# Altium PCB P22296-1-DES-1.2.PcbDoc (part 5 of 5)
Units mm, origin at the board's own origin, x right, y up, seen from the top; angles counter-clockwise.
Board outline 77.01 x 108 mm, 6 copper layers (Top Layer, Layer 1, Layer 2, Layer 3, Layer 4, Bottom Layer), stack 1.821 mm thick; 445 components, 260 nets, 1371 pads, 965 vias.
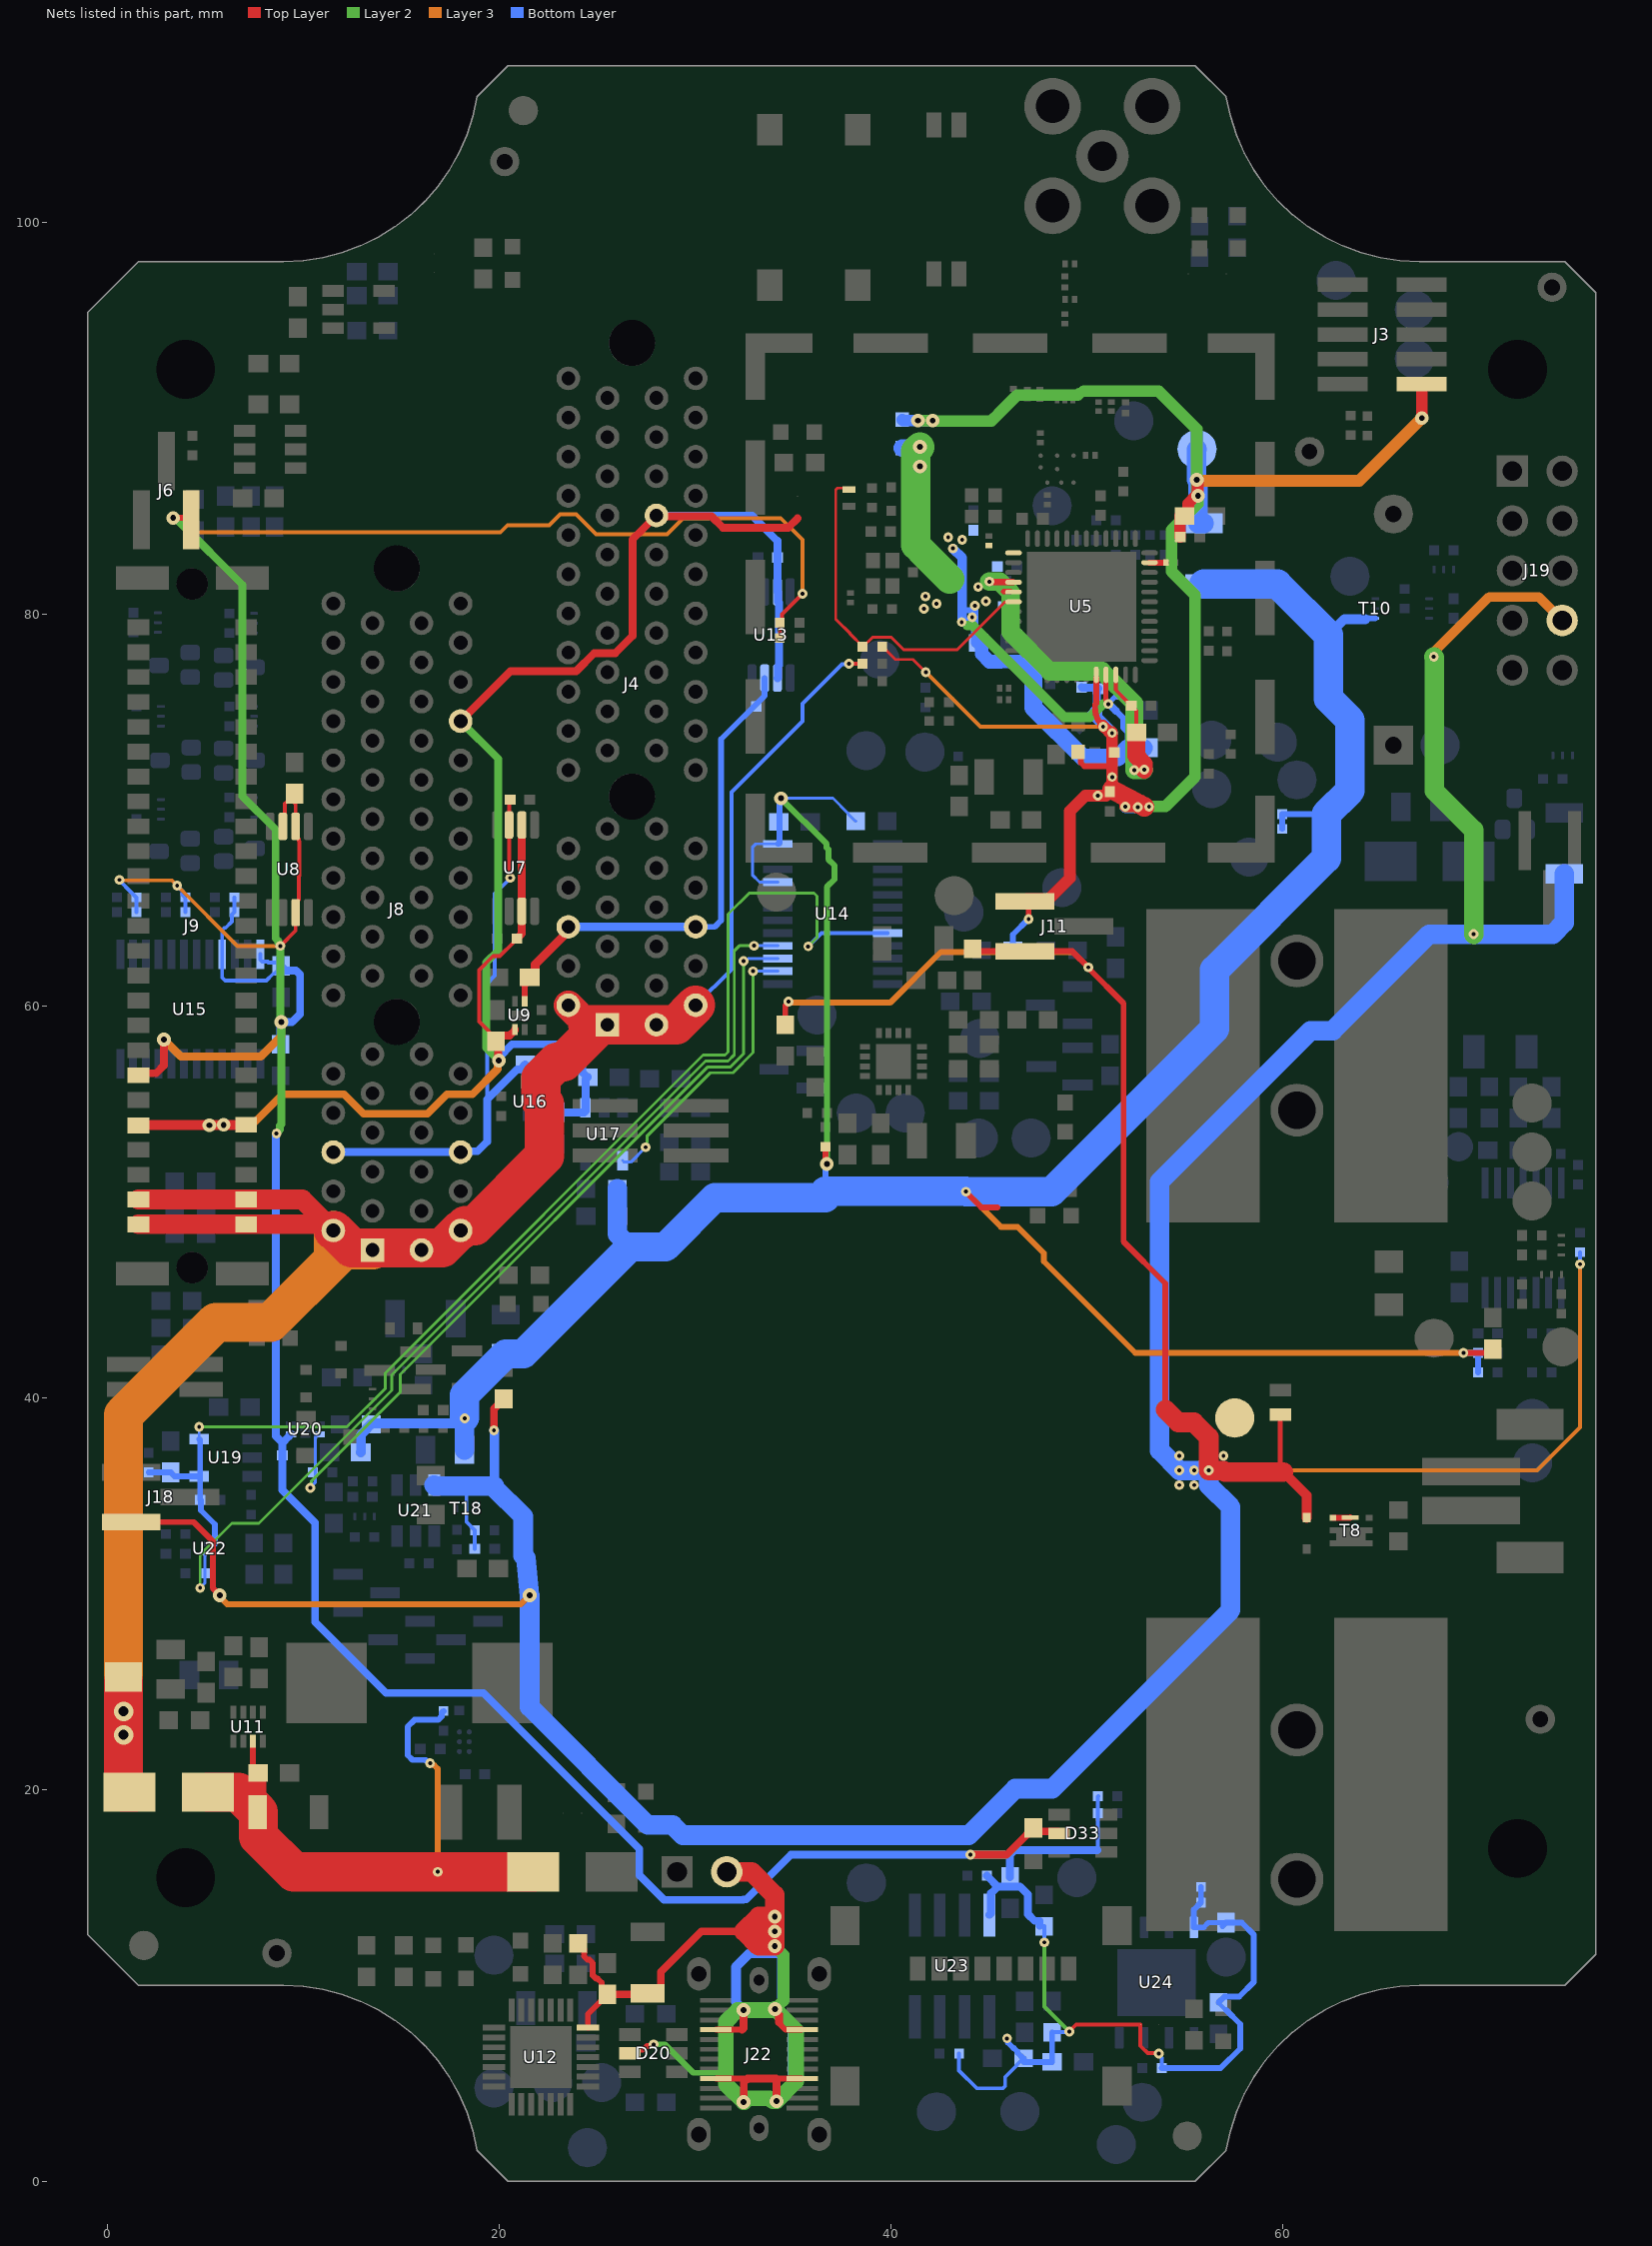
[diagram p9: the nets of this part, all layers, seen from the top]

## Via types
v1: diameter 0.5, hole 0.2, Top Layer to Bottom Layer, tented both sides, 876 vias
v2: diameter 0.7/0.7/0.7/0.7/0.7/0.7 (per signal layer), hole 0.3, Top Layer to Bottom Layer, tented bottom, 83 vias
v3: diameter 0.5, hole 0.2, Top Layer to Bottom Layer, 4 vias
v4: diameter 1, hole 0.5, Top Layer to Bottom Layer, tented bottom, 2 vias

## Nets (pads, with @x,y where several pads share a name; then routed paths per layer and width w, separated by ;. In a path a pad name is that pad's centre, name@x,y a point inside that pad or via, vN(x,y) a via of type N, cw(c..) or ccw(c..) an arc to the next point about the centre after c; other vN are vias at no path point) (continued)
Valways_e\n\: R114.1 U14.16 U22.B2 | length 49.5
  Layer 2 w0.15: v1(4.738,30.291) 4.738,31.966 6.363,33.591 7.731,33.591 14.517,40.377 14.517,41.169 30.539,57.191 31.696,57.191 32.013,57.508 32.013,62.816 32.27,63.074 v1(33.025,63.074)
  Bottom Layer w0.15: v1(4.738,30.291) 4.738,30.304 4.988,30.554 R114.1@4.988,31.041 U22.B2@4.988,32.041 ; v1(33.025,63.074) U14.16@34.238,63.074
Valways_sens: C89.2 C93.2 R6.1 U14.8 U19.4 U19.5 U22.A1 | length 63.5
  Layer 2 w0.15: v1(4.688,38.516) 12.232,38.516 14.2,40.484 14.2,41.276 30.415,57.491 31.533,57.491 31.696,57.654 31.696,64.686 32.776,65.766 36.085,65.766 36.238,65.614 36.238,63.496 v1(35.783,63.041)
  Bottom Layer w0.15: U19.5@4.688,37.891 v1(4.688,38.516)
  Bottom Layer w0.2: v1(35.783,63.041) 36.466,63.724 U14.8@39.838,63.724
  Bottom Layer w0.3: R6.1@2.113,36.191 C89.2@3.238,36.191 3.438,35.991 U19.4@4.688,35.991 ; U19.5@4.688,37.891 4.738,37.841 C93.2@4.738,34.791 4.772,34.757 4.772,34.257 5.488,33.541 U22.A1@5.488,32.541
Vbat: C94.2 D10.C D12.C1 J11.1 J18.1 J19.8 R20.1 R37.2 R62.2 R66.2 R112.2 R145.2 T8.S T18.S TS12.1 U21.6 | length 258.9
  Top Layer w0.254: D10.C@59.888,39.141 59.888,36.366 60.038,36.216
  Top Layer w0.3: J18.1@1.213,33.652 4.41,33.652 5.383,32.679 5.383,30.29 5.738,29.935 v2(5.738,29.915) ; R145.2@34.613,59.042 34.613,60.008 34.775,60.171 v1(34.775,60.225) ; R20.1@44.188,62.916 44.308,62.796 J11.1@46.853,62.796 49.258,62.796 v1@50.083,61.97 ; v1(50.087,61.974) 50.087,61.932 51.888,60.131 51.888,47.972 54.02,45.84 54.02,39.402 ; T8.S@62.579,33.874 63.446,33.874 T8.S@63.464,33.892
  Top Layer w0.4: v1(19.738,38.341) 19.738,39.432 19.972,39.666 19.988,39.666 20.238,39.916 R37.2@20.238,39.941
  Top Layer w0.5: 60.038,36.216 61.23,35.024 D12.C1@61.23,33.874
  Top Layer w1: 54.02,39.402 54.679,38.744 55.482,38.744 56.238,37.988 v1(56.238,36.291) 56.988,36.291 57.063,36.216 60.038,36.216
  Layer 2 w1: v1(67.725,77.825) 67.75,77.8 67.75,70.989 69.763,68.976 v1(69.763,63.666)
  Layer 3 w0.2: v1(56.238,36.291) 73.006,36.291 75.198,38.483 v1(75.198,46.82)
  Layer 3 w0.3: v2(5.738,29.915) 5.738,29.842 6.113,29.466 21.114,29.466 v2(21.563,29.915) v2@21.706,30.059 ; v1(34.775,60.225) 34.813,60.187 34.955,60.187 34.975,60.166 39.966,60.166 42.552,62.752 49.308,62.752 v1(50.087,61.974)
  Layer 3 w0.5: v1(67.725,77.825) 67.725,78.049 70.557,80.881 73.082,80.881 J19.8@74.282,79.681
  Bottom Layer w0.2: 18.253,35.491 18.338,35.406 T18.S@18.338,34.341 18.338,33.671 R112.2@18.768,33.241 C94.2@18.768,32.291 ; v1(75.198,46.82) R62.2@75.198,47.429
  Bottom Layer w0.5: v1(19.738,38.341) 19.768,38.311 19.768,35.491
  Bottom Layer w1: U21.6@16.688,35.541 16.738,35.491 18.253,35.491 19.68,35.491 ; 19.768,35.491 19.68,35.491 ; 21.234,31.942 21.234,33.936 19.68,35.491 ; 21.363,31.813 v2(21.563,29.915) ; v2(21.563,29.915) 21.563,24.216 27.588,18.191 28.86,18.191 29.381,17.671 43.982,17.671 46.352,20.041 48.238,20.041 57.353,29.157 57.353,34.425 56.238,35.541 v1(56.238,36.291) v1(55.488,36.291) v1(54.738,36.291) 53.724,37.305 53.724,51.034 61.431,58.741 62.57,58.741 67.495,63.666 v1(69.763,63.666) 73.802,63.666 74.388,64.252 R66.2@74.388,66.748
  other v1: 54.738,35.541 55.488,35.541 54.738,37.041 56.988,37.041
Vbus: C26.2 D13.A J4.A1 J4.A2 J4.B1 J4.B2 J8.A1 J8.A2 J8.B1 J8.B2 J9.A1 J9.A2 J9.B1 J9.B2 R18.1 | length 110.9
  Top Layer w0.2: v1(37.87,77.468) R18.1@38.563,77.468
  Top Layer w1: J9.A1@1.588,48.851 J9.B1@7.088,48.851 11.171,48.851 11.481,48.541 J8.A2@11.538,48.541 9.958,50.121 J9.B2@7.088,50.121 J9.A2@1.588,50.121
  Top Layer w1.5: J4.A2@23.538,60.041 24.538,59.041
  Top Layer w2: C26.2@0.825,25.493 v4(0.825,23.991) v4(0.825,22.796) 0.825,19.871 D13.A@1.138,19.871 D13.A@1.388,19.871 ; J8.A2@11.538,48.541 11.594,48.541 12.49,47.645 J8.A1@13.434,47.645 ; J8.A1@13.642,47.645 17.085,47.645 17.981,48.541 J8.B2@18.038,48.541 18.284,48.787 18.764,48.787 22.313,52.335 22.313,54.991 22.138,55.166 22.138,56.326 22.958,57.146 23.289,57.146 J4.A1@25.184,59.041 ; 24.538,59.041 J4.A1@25.184,59.041 ; J4.B2@30.038,60.041 29.038,59.041 J4.B1@28.038,59.041 J4.A1@25.538,59.041 J4.A1@25.184,59.041
  Layer 3 w2: v4(0.825,22.796) v4(0.825,23.991) 0.825,39.128 5.538,43.841 8.338,43.841 11.538,47.041 ; J8.A2@11.538,48.541 11.538,47.041 ; J8.A1@13.538,47.541 12.038,47.541 11.538,47.041
  Bottom Layer w0.2: J4.B2@30.038,60.041 31.863,61.866 31.863,70.916 35.488,74.541 35.488,75.433 37.507,77.453 37.855,77.453 v1(37.87,77.468)
Vcc: C45.2 C77.2 C85.2 C90.2 J13.2 R30.1 R52.2 R70.2 R71.2 R72.2 R94.1 R96.2 R99.1 R101.2 R103.1 R104.2 T10.D U14.21 U14.24 | length 162.6
  Top Layer w0.3: R30.1@36.663,52.816 36.666,52.813 36.666,52.009 v2(36.738,51.937) ; v1(43.838,50.524) 43.838,50.511 44.625,49.723 J13.2@45.444,49.723 ; v1(69.238,42.291) 70.538,42.291 C45.2@70.738,42.491
  Layer 2 w0.3: v2(34.391,70.603) 36.724,68.271 36.724,68.085 36.813,67.996 36.813,67.488 37.127,67.173 37.127,66.465 36.738,66.075 v2(36.738,51.937)
  Layer 3 w0.3: v1(43.838,50.524) 43.838,50.511 45.628,48.72 46.477,48.72 47.815,47.382 47.815,46.964 52.488,42.291 v1(69.238,42.291)
  Bottom Layer w0.15: U14.21@34.238,66.324 33.301,66.324 32.933,66.692 32.933,68.096 33.11,68.274 U14.24@34.238,68.274 ; v2(34.391,70.603) 37.043,70.603 37.814,69.833 37.814,69.808 38.189,69.433 R71.2@38.214,69.433
  Bottom Layer w0.3: U14.24@34.238,68.274 34.279,68.274 34.329,68.324 34.329,70.541 v2(34.391,70.603) ; 36.663,50.237 36.663,51.862 v2(36.738,51.937) ; R72.2@59.988,69.041 R70.2@59.988,69.791 62.238,69.791 ; 64.238,79.741 64.288,79.791 T10.D@64.738,79.791 ; v1(69.238,42.291) R99.1@69.988,42.291 R101.2@69.988,41.291
  Bottom Layer w0.5: C90.2@12.942,37.216 12.957,37.232 12.957,38.123 13.25,38.416 13.25,38.441 13.45,38.641 R103.1@13.475,38.641 13.529,38.695 v1@18.238,38.695 ; 62.349,78.93 63.16,79.741 64.238,79.741
  Bottom Layer w1: R104.2@18.238,37.341 v1@18.238,38.695 ; R94.1@26.038,50.662 C85.2@26.038,49.266 26.038,48.362 26.698,47.701
  Bottom Layer w1.5: v1@18.238,38.991 18.238,40.141 R96.2@20.338,42.241 21.238,42.241 26.698,47.701 28.498,47.701 31.009,50.212 36.663,50.212 ; 36.663,50.541 43.82,50.541 v1(43.838,50.524) 48.22,50.524 56.538,58.841 56.538,61.841 62.238,67.541 62.238,69.791 63.445,70.998 63.445,74.591 62.349,75.687 62.349,78.93 59.738,81.541 R52.2@55.988,81.541
  other v1: 18.25,38.943
VCC_MCU: C19.2 C22.2 C24.2 C32.2 C35.2 C69.2 C71.2 C76.2 J3.1 J11.3 L3.1 L5.2 R14.2 R52.1 R80.2 TS18.1 U5.11 U5.44 | length 103.1
  Top Layer w0.15: R14.2@39.588,78.341 40.238,77.691 41.138,77.691 v1(41.788,77.041)
  Top Layer w0.3: J11.3@46.853,65.336 47.038,65.151 v1(47.038,64.441) ; L3.1@49.563,72.971 49.703,72.83 49.703,72.417 49.879,72.241 51.302,72.241 ; U5.44@50.489,76.735 50.489,75.442 50.429,75.382 50.429,75.248 ccw(c51.829,75.248) v1(50.839,74.258) ; U5.11@53.214,82.633 C24.2@54.045,82.633
  Top Layer w0.6: J11.3@46.853,65.336 46.978,65.461 48.083,65.461 49.138,66.516 49.138,69.941 49.93,70.733 v1(50.579,70.733) 50.989,70.733 C35.2@51.189,70.933 ; v1@50.841,74.304 51.163,73.982 51.302,73.982 51.302,72.241 v1(51.302,71.691) C35.2@51.302,71.047 ; v1(51.971,70.183) 52.585,70.183 cw(c52.585,70.157) v1(52.612,70.157) ; C22.2@54.771,83.941 54.771,85.015 C19.2@54.814,85.058 ; C19.2@54.989,85.008 55.039,85.008 55.189,85.158 55.189,85.64 55.571,86.022 55.668,86.022 v2(55.688,86.041) 55.668,86.06 55.668,86.79 55.621,86.838 v2(55.621,86.865) ; J3.1@67.113,91.742 67.113,90.018 v2(67.118,90.012)
  Top Layer w1: C35.2@51.302,71.047 52.181,70.577 52.659,70.321 52.691,70.305 52.916,70.184 ccw(c53.388,71.066) v1@52.952,70.166
  Layer 2 w0.6: v2(41.389,89.883) v2(42.139,89.883) ; v2@42.139,89.864 45.131,89.864 45.548,90.28 45.548,90.284 46.455,91.191 47.677,91.191 47.686,91.182 48.624,91.182 48.633,91.191 49.548,91.191 49.623,91.266 ; 49.852,91.391 53.681,91.391 55.621,89.451 v2(55.621,86.865) v2@55.621,86.06 ; v1(51.971,70.183) 54.026,70.183 55.538,71.695 55.538,80.981 54.339,82.18 54.339,84.292 55.668,85.622 55.668,86.022 v2(55.688,86.041)
  Layer 3 w0.2: v1(41.788,77.041) 44.57,74.258 v1(50.839,74.258)
  Layer 3 w0.6: v2(55.621,86.865) 55.648,86.865 55.705,86.808 63.914,86.808 v2(67.118,90.012)
  Bottom Layer w0.3: R80.2@46.238,62.841 46.238,63.641 v1(47.038,64.441)
  Bottom Layer w0.4: C69.2@49.739,76.283 49.772,76.25 50.547,76.25 C71.2@50.589,76.208 50.529,76.148 50.529,75.91 50.513,75.894 50.513,75.101 C76.2@50.475,75.064
  Bottom Layer w0.6: L5.2@40.589,89.928 40.634,89.883 v2(41.389,89.883) v2(42.139,89.883) ; C76.2@50.475,75.064 50.513,75.026 50.513,74.724 v1(51.3,73.936) ; v1(51.971,70.183) 51.997,70.157 v1(52.612,70.157) 53.178,70.157 v1(53.188,70.166)
  Bottom Layer w1: TS18.1@55.638,88.419 55.621,88.402 v2(55.621,86.865) 55.688,86.798 v2(55.688,86.041) 55.688,84.641 R52.1@55.988,84.641
VDD_TCXO_EXT_4: L1.2 R14.1 U5.30 | length 18.5
  Top Layer w0.15: L1.2@37.87,86.441 37.279,86.441 37.191,86.353 37.191,79.737 37.609,79.32 37.63,79.32 37.908,79.042 37.908,79.021 38.588,78.341 39.073,78.827 40.024,78.827 40.66,78.191 43.391,78.191 45.801,80.6 45.86,80.6 45.874,80.614 46.245,80.614 U5.30@46.264,80.633
Vddpa: C23.2 C60.2 C66.2 C67.2 C73.2 L7.1 U5.25 U5.29 U5.45 | length 33.9
  Top Layer w0.25: U5.45@50.989,76.893 50.989,75.607 51.113,75.484 v1(51.113,75.416)
  Top Layer w0.3: 45.761,81.158 U5.29@46.114,81.158
  Layer 2 w0.5: 43.903,79.421 44.188,79.421 48.868,74.741 50.163,74.741 50.838,75.416 v1(51.113,75.416)
  Bottom Layer w0.25: v1(51.113,75.416) 51.113,75.441 51.458,75.786 51.598,75.786 C73.2@51.613,75.801
  Bottom Layer w0.3: 43.732,80.244 43.774,80.202 v1@44.233,80.202 ; 51.482,75.082 51.864,74.701 51.864,74.221 52.095,73.989 52.095,73.181 L7.1@52.939,73.181
  Bottom Layer w0.4: v1(51.113,75.416) 51.14,75.416 51.19,75.366 51.199,75.366 51.482,75.082
  Bottom Layer w0.5: v1@43.181,83.344 43.649,82.877 43.649,79.738 43.913,79.474 ; 44.233,79.533 v1@44.233,80.202 ; C67.2@44.333,78.533 44.333,79.133 ; C67.2@44.539,78.533 44.639,78.433 44.739,78.333 C67.2@44.739,78.283
  Bottom Layer w0.6: 46.398,77.583 46.498,77.483
  Bottom Layer w0.7: C67.2@44.489,78.533 C67.2@44.539,78.533 ; C67.2@44.639,78.433 44.639,77.976 45.035,77.579 45.615,77.579 45.619,77.583 46.398,77.583
  Bottom Layer w0.9: 46.498,77.483 47.279,76.702 47.279,75.227 49.824,72.682 51.596,72.682 52.095,73.181 52.401,73.181 L7.1@52.939,73.181
  other v1: 43.619,79.6 44.155,79.84 44.299,80.425 44.864,80.658 43.174,83.357 43.644,83.801 42.93,83.93
Vddrf: C29.2 C31.2 C63.2 C64.2 L5.1 U5.28 U5.46 | length 33.1
  Top Layer w0.2: U5.46@51.489,76.908 51.489,76.133 52.109,75.513 52.109,75.493 52.269,75.333 C29.2@52.289,75.333 52.309,75.333 52.469,75.173 52.469,75.153 52.539,75.083 C31.2@52.539,73.958
  Top Layer w0.3: v1(45.038,81.666) 45.931,81.666 45.939,81.658 46.239,81.658 U5.28@46.264,81.633 v1@45.07,81.633
  Top Layer w0.9: C31.2@52.539,73.958 52.539,72.765 52.94,72.364 v1(52.94,72.058)
  Layer 2 w0.9: 50.788,77.091 52.438,75.441 v1@52.438,72.058 ; v1(52.438,72.041) 52.923,72.041 v1(52.94,72.058)
  Layer 2 w0.95: v1(45.038,81.666) 45.556,81.666 46.119,81.103 46.119,79.097 48.125,77.091 50.788,77.091
  Layer 2 w1.5: 41.275,83.531 41.754,83.053 43.013,81.794 ; 41.275,83.681 41.275,88.329 v2(41.488,88.541)
  Bottom Layer w0.9: L5.1@40.589,88.488 41.29,88.488 41.29,87.738 v2(41.488,87.541) 41.482,87.546 41.482,88.396 41.488,88.401 v2(41.488,88.541)
  other v1: 41.689,80.283 42.339,80.533 41.764,80.908 44.463,81.391
Vin_DCDC_6: C50.2 C52.2 D13.C D15.C R142.2 U11.3 | length 33.5
  Top Layer w0.3: U11.3@7.438,22.461 7.438,21.102 C50.2@7.699,20.841
  Top Layer w0.8: C50.2@7.699,20.841 7.706,20.834 7.706,18.848 C52.2@7.714,18.841
  Top Layer w2: D13.C@5.138,19.871 6.683,19.871 C52.2@7.706,18.848 ; C52.2@7.714,18.841 7.714,17.604 9.518,15.8 D15.C@21.738,15.8
  Layer 3 w0.3: v1(16.476,21.341) 16.53,21.341 16.63,21.241 16.687,21.241 16.863,21.065 v1(16.863,15.8)
  Bottom Layer w0.3: v1(16.476,21.341) 16.422,21.341 16.252,21.512 16.201,21.512 15.583,21.512 15.338,21.757 15.338,23.212 15.681,23.556 16.891,23.556 17.067,23.732 17.067,23.906 R142.2@17.167,24.006
Vsensor: C39.2 C41.2 C62.2 C80.2 C83.2 J4.B25 J7.2 J8.B26 J9.A5 J9.B5 U7.3 U7.6 U9.3 U13.3 U13.6 U16.3 U17.1 | length 105.3
  Top Layer w0.2: 19.338,58.841 18.982,59.197 18.982,61.835 19.689,62.543 20.032,62.543 20.733,63.243 20.733,63.281 20.893,63.441 C39.2@20.913,63.441 ; 19.338,58.841 19.563,58.616 19.563,58.541 C41.2@19.913,58.191
  Top Layer w0.4: J8.B26@18.038,74.541 20.584,77.087 23.933,77.087 24.861,78.015 25.939,78.015 26.813,78.889 26.813,83.816 J4.B25@28.038,85.041 28.084,84.995 30.849,84.995 31.424,84.42 34.766,84.42 35.238,84.891 ; C41.2@19.913,58.191 19.913,58.241 20.163,58.491 20.538,58.491 20.813,58.766 U9.3@20.813,58.791 ; C41.2@19.95,58.253 19.95,57.253 v2(19.988,57.216) ; C39.2@20.913,63.441 20.933,63.441 20.993,63.501 20.993,63.521 21.163,63.691 U7.3@21.163,64.841 U7.6@21.163,69.241
  Top Layer w0.5: J9.A5@1.588,53.901 1.618,53.931 J9.B5@7.088,53.931
  Layer 2 w0.4: J8.B26@18.038,74.541 19.963,72.616 19.963,62.841 19.338,62.216 19.338,57.866 v2(19.988,57.216)
  Layer 3 w0.4: v2(5.213,53.913) 5.222,53.922 5.928,53.922 v2(5.938,53.931) 7.395,53.931 8.955,55.491 11.138,55.491 11.142,55.495 12.084,55.495 13.084,54.495 16.341,54.495 17.341,55.495 18.642,55.495 19.93,56.784 19.93,57.159 v2(19.988,57.216)
  Bottom Layer w0.4: v2@20.013,57.391 20.663,58.041 23.713,58.041 24.251,57.503 24.251,56.616 24.501,56.366 C80.2@24.538,56.366 24.413,56.242 U17.1@24.413,54.808 24.413,54.641 24.338,54.566 C83.2@22.888,54.566 ; U16.3@21.863,54.391 21.866,54.395 22.716,54.395 C83.2@22.888,54.566 ; C83.2@22.888,54.616 C83.2@22.888,54.566 ; J4.B25@28.038,85.041 32.913,85.041 34.213,83.741 C62.2@34.213,82.891 U13.3@34.213,81.141 34.238,81.116 34.238,80.641 34.288,80.591 34.288,77.392 34.238,77.342 34.238,76.766 U13.6@34.213,76.741
Vsensor_en: U14.14 U17.4 | length 14.7
  Layer 2 w0.15: v1(27.488,52.791) 27.548,52.852 27.548,53.352 30.788,56.591 31.944,56.591 32.971,57.617 v1(32.971,61.774)
  Bottom Layer w0.15: U17.4@26.313,52.108 26.392,52.029 26.725,52.029 v1(27.488,52.791) ; v1(32.971,61.774) U14.14@34.238,61.774
Vsensorslot_12: C40.2 C75.2 J4.A6 J4.B6 U9.1 U13.7 | length 26.3
  Top Layer w0.3: U9.1@21.313,60.241 21.313,61.136 cw(c21.543,61.136) C40.2@21.543,61.366
  Top Layer w0.44: C40.2@21.313,61.136 21.543,61.366 21.588,61.366 21.843,61.621 21.843,62.121 23.391,63.669 23.391,63.894 J4.A6@23.538,64.041
  Bottom Layer w0.3: J4.B6@30.038,64.041 31.013,64.041 31.338,64.366 31.338,73.616 33.563,75.841 U13.7@33.563,76.741
  Bottom Layer w0.44: J4.A6@23.538,64.041 J4.B6@30.038,64.041
Vsensorslot_13: C36.2 C79.2 J8.A6 J8.B6 U7.7 U16.1 | length 29.9
  Top Layer w0.2: v1(20.563,66.541) 20.513,66.591 U7.7@20.513,69.241 20.513,70.491 C36.2@20.563,70.541
  Bottom Layer w0.2: 19.388,55.228 19.388,61.154 19.783,61.549 19.783,65.736 20.563,66.516 v1(20.563,66.541)
  Bottom Layer w0.4: J8.A6@11.538,52.541 J8.B6@18.038,52.541 18.079,52.583 18.898,52.583 19.388,53.072 19.388,55.228 20.925,56.766 21.088,56.766 C79.2@21.338,57.016 21.338,55.866 U16.1@21.363,55.841
Vsys: C33.2 C78.2 C91.2 C97.2 C98.2 C102.2 C104.2 D33.5 J6.1 J9.A7 J23.2 R13.2 R15.2 R73.2 R74.2 R75.2 R76.2 R77.2 R78.2 R83.2 R116.2 R117.2 R118.2 R119.2 R120.2 R121.2 R125.2 R126.1 R127.2 R128.2 R129.2 U8.3 U8.6 U8.7 U15.21 U15.24 U20.1 U23.8 U24.8 | length 252.9
  Top Layer w0.2: v1(8.838,63.066) 9.613,63.841 U8.3@9.613,64.766 9.613,65.248 9.788,65.423 9.788,66.634 9.813,66.659 9.813,68.403 9.788,68.428 9.788,68.509 9.613,68.684 U8.6@9.613,69.166 9.613,70.291 9.438,70.466 9.413,70.441 9.18,70.441 9.063,70.324 9.063,69.266 U8.7@8.963,69.166 ; R15.2@34.338,78.791 R13.2@34.338,79.566 34.437,79.666 34.437,79.991 v1(35.488,81.041) ; v1(49.112,7.648) 49.462,7.998 J23.2@52.75,7.998 52.75,6.916 53.125,6.541 53.664,6.541 v1(53.688,6.518)
  Top Layer w0.3: v2(3.363,84.916) 4.258,84.916 J6.1@4.308,84.966
  Top Layer w0.4: J9.A7@1.588,56.471 1.684,56.568 2.489,56.568 2.888,56.966 2.888,58.284 v2(2.886,58.286) ; v1(44.068,16.669) 45.909,16.669 46.981,17.741 47.031,17.741 47.281,17.991 C104.2@47.281,18.041 47.456,17.866 48.504,17.866 D33.5@48.604,17.766
  Layer 2 w0.2: v1(47.838,12.198) 47.838,8.921 v1(49.112,7.648)
  Layer 2 w0.4: v2(3.363,84.916) 3.471,84.916 3.671,84.716 3.683,84.716 6.888,81.511 6.888,70.716 8.588,69.016 8.588,63.457 8.738,63.307 8.738,63.22 8.838,63.12 v1(8.838,63.066) 8.838,59.231 v2(8.888,59.181) ; v1(8.638,53.491) 8.638,53.518 8.813,53.693 8.813,53.89 8.888,53.965 v2@8.888,59.154
  Layer 3 w0.2: v1@0.613,66.412 3.295,66.412 v1(3.563,66.145) 6.642,63.066 v1(8.838,63.066) ; v2(3.363,84.916) 4.098,84.18 20.07,84.18 20.43,84.541 22.569,84.541 23.125,85.097 23.937,85.097 24.962,84.072 28.577,84.072 29.401,84.895 34.384,84.895 35.488,83.791 v1(35.488,81.041)
  Layer 3 w0.4: v2@2.828,58.228 v2(2.886,58.286) 3.755,57.416 7.837,57.416 8.888,58.467 v2(8.888,59.181)
  Bottom Layer w0.2: v1@0.613,66.412 1.234,65.791 1.238,65.791 R75.2@1.488,65.541 R78.2@1.488,64.791 ; v1(3.563,66.145) 3.838,65.87 3.838,65.691 R74.2@3.988,65.541 R77.2@3.988,64.791 ; R73.2@6.488,65.541 R76.2@6.488,64.791 6.363,64.666 6.363,64.314 6.04,63.991 5.98,63.991 5.863,63.874 U15.21@5.863,62.641 5.863,61.441 6.013,61.291 8.113,61.291 8.463,61.641 8.513,61.641 8.863,61.991 C78.2@8.863,62.041 8.68,62.224 8.23,62.224 8.195,62.258 7.913,62.258 7.813,62.358 U15.24@7.813,62.641 ; v1(8.838,63.066) v1@8.863,63.041 ; R128.2@43.488,6.523 43.488,5.647 44.388,4.748 45.721,4.748 45.838,4.865 45.838,5.323 46.413,5.898 46.413,5.923 R129.2@46.763,6.273 ; v1(47.838,12.198) R120.2@47.838,13.023 ; R126.1@48.238,7.598 48.259,7.619 49.083,7.619 v1(49.112,7.648) ; 50.545,16.907 50.573,16.934 R117.2@50.573,18.794 50.573,19.643 R116.2@50.594,19.664 ; v1(53.688,6.518) 53.688,6.436 53.838,6.286 R127.2@53.838,5.782 ; R125.2@56.738,9.132 56.738,9.107 57.088,8.757 R125.2@57.113,8.757
  Bottom Layer w0.254: 55.972,12.966 56.213,13.207 C97.2@57.113,13.207
  Bottom Layer w0.3: v1@45.938,7.356 45.976,7.318 45.976,7.085 46.264,6.798 46.287,6.798 46.463,6.622 46.463,6.573 46.763,6.273 R129.2@46.788,6.273 46.788,6.098 C102.2@48.238,6.098 R126.1@48.238,7.598 ; R127.2@53.838,5.782 56.838,5.782 57.838,6.782 57.838,8.032 R125.2@57.113,8.757 ; R118.2@55.838,15.032 R121.2@55.838,14.232 55.478,13.872 U24.8@55.478,12.962 55.482,12.966 55.972,12.966 ; R125.2@56.738,9.132 57.038,9.432 57.796,9.432 58.54,10.176 58.54,12.582 57.915,13.207 C97.2@57.113,13.207 C97.2@56.938,13.032
  Bottom Layer w0.4: v1(8.638,53.491) 8.618,53.472 8.618,53.401 8.6,53.383 8.6,38.042 8.942,37.7 ; R83.2@8.838,58.041 8.838,59.104 8.888,59.154 v2(8.888,59.181) 9.428,59.181 9.838,59.591 9.838,61.607 9.632,61.812 9.091,61.812 C78.2@8.863,62.041 ; U20.1@9.384,38.141 9.359,38.141 9.259,38.041 9.259,38.016 8.942,37.7 ; R119.2@44.913,15.598 45.463,15.048 ; U23.8@45.038,13.598 45.118,13.678 45.118,14.703 45.463,15.048 ; C98.2@46.088,15.532 46.088,16.669 ; R120.2@47.596,13.044 47.596,13.289 47.588,13.298 47.343,13.298 46.999,13.642 46.999,14.646 46.597,15.048 45.463,15.048 ; 50.545,16.907 47.285,16.907 47.281,16.911 47.276,16.907 46.322,16.907 46.088,16.672 46.088,16.669 ; 8.942,37.7 8.942,37.121 8.938,37.116 C91.2@8.938,37.066 8.938,35.29 10.609,33.619 10.609,28.557 14.235,24.931 19.203,24.931 27.168,16.966 27.168,15.625 28.422,14.37 32.468,14.37 32.489,14.391 32.621,14.391 34.9,16.669 v1(44.068,16.669) 46.088,16.669
  other v1: 45.938,7.298 0.613,66.437
Vsys_en: R105.2 U14.15 U20.4 | length 41.5
  Layer 2 w0.15: v1(10.359,35.406) 10.406,35.454 10.406,35.73 14.963,40.286 14.963,41.19 30.663,56.891 31.82,56.891 32.488,57.559 v1(32.488,62.291)